# Altium PCB MiniPC.PcbDoc (part 10 of 22)
Units mm, origin at the board's own origin, x right, y up, seen from the top; angles counter-clockwise.
Board outline 175 x 155 mm, 16 copper layers (1_Top, 2_int1_(gnd), 3_int2_(power), 4_int3_(gnd), 5_int4_(sign), 6_int5_(power), 7_int6_(sign), 8_int7_(power), 9_int8_(gnd), 10_int9_(sign), 11_int10_(gnd), 12_int11_(sign), 13_int12_(gnd), 14_int13_(power), 15_int14_(gnd), 16_Bottom), stack 2.008 mm thick; 1046 components, 837 nets, 6010 pads, 3950 vias.
Unrouted connection lines stored in the file: 585.
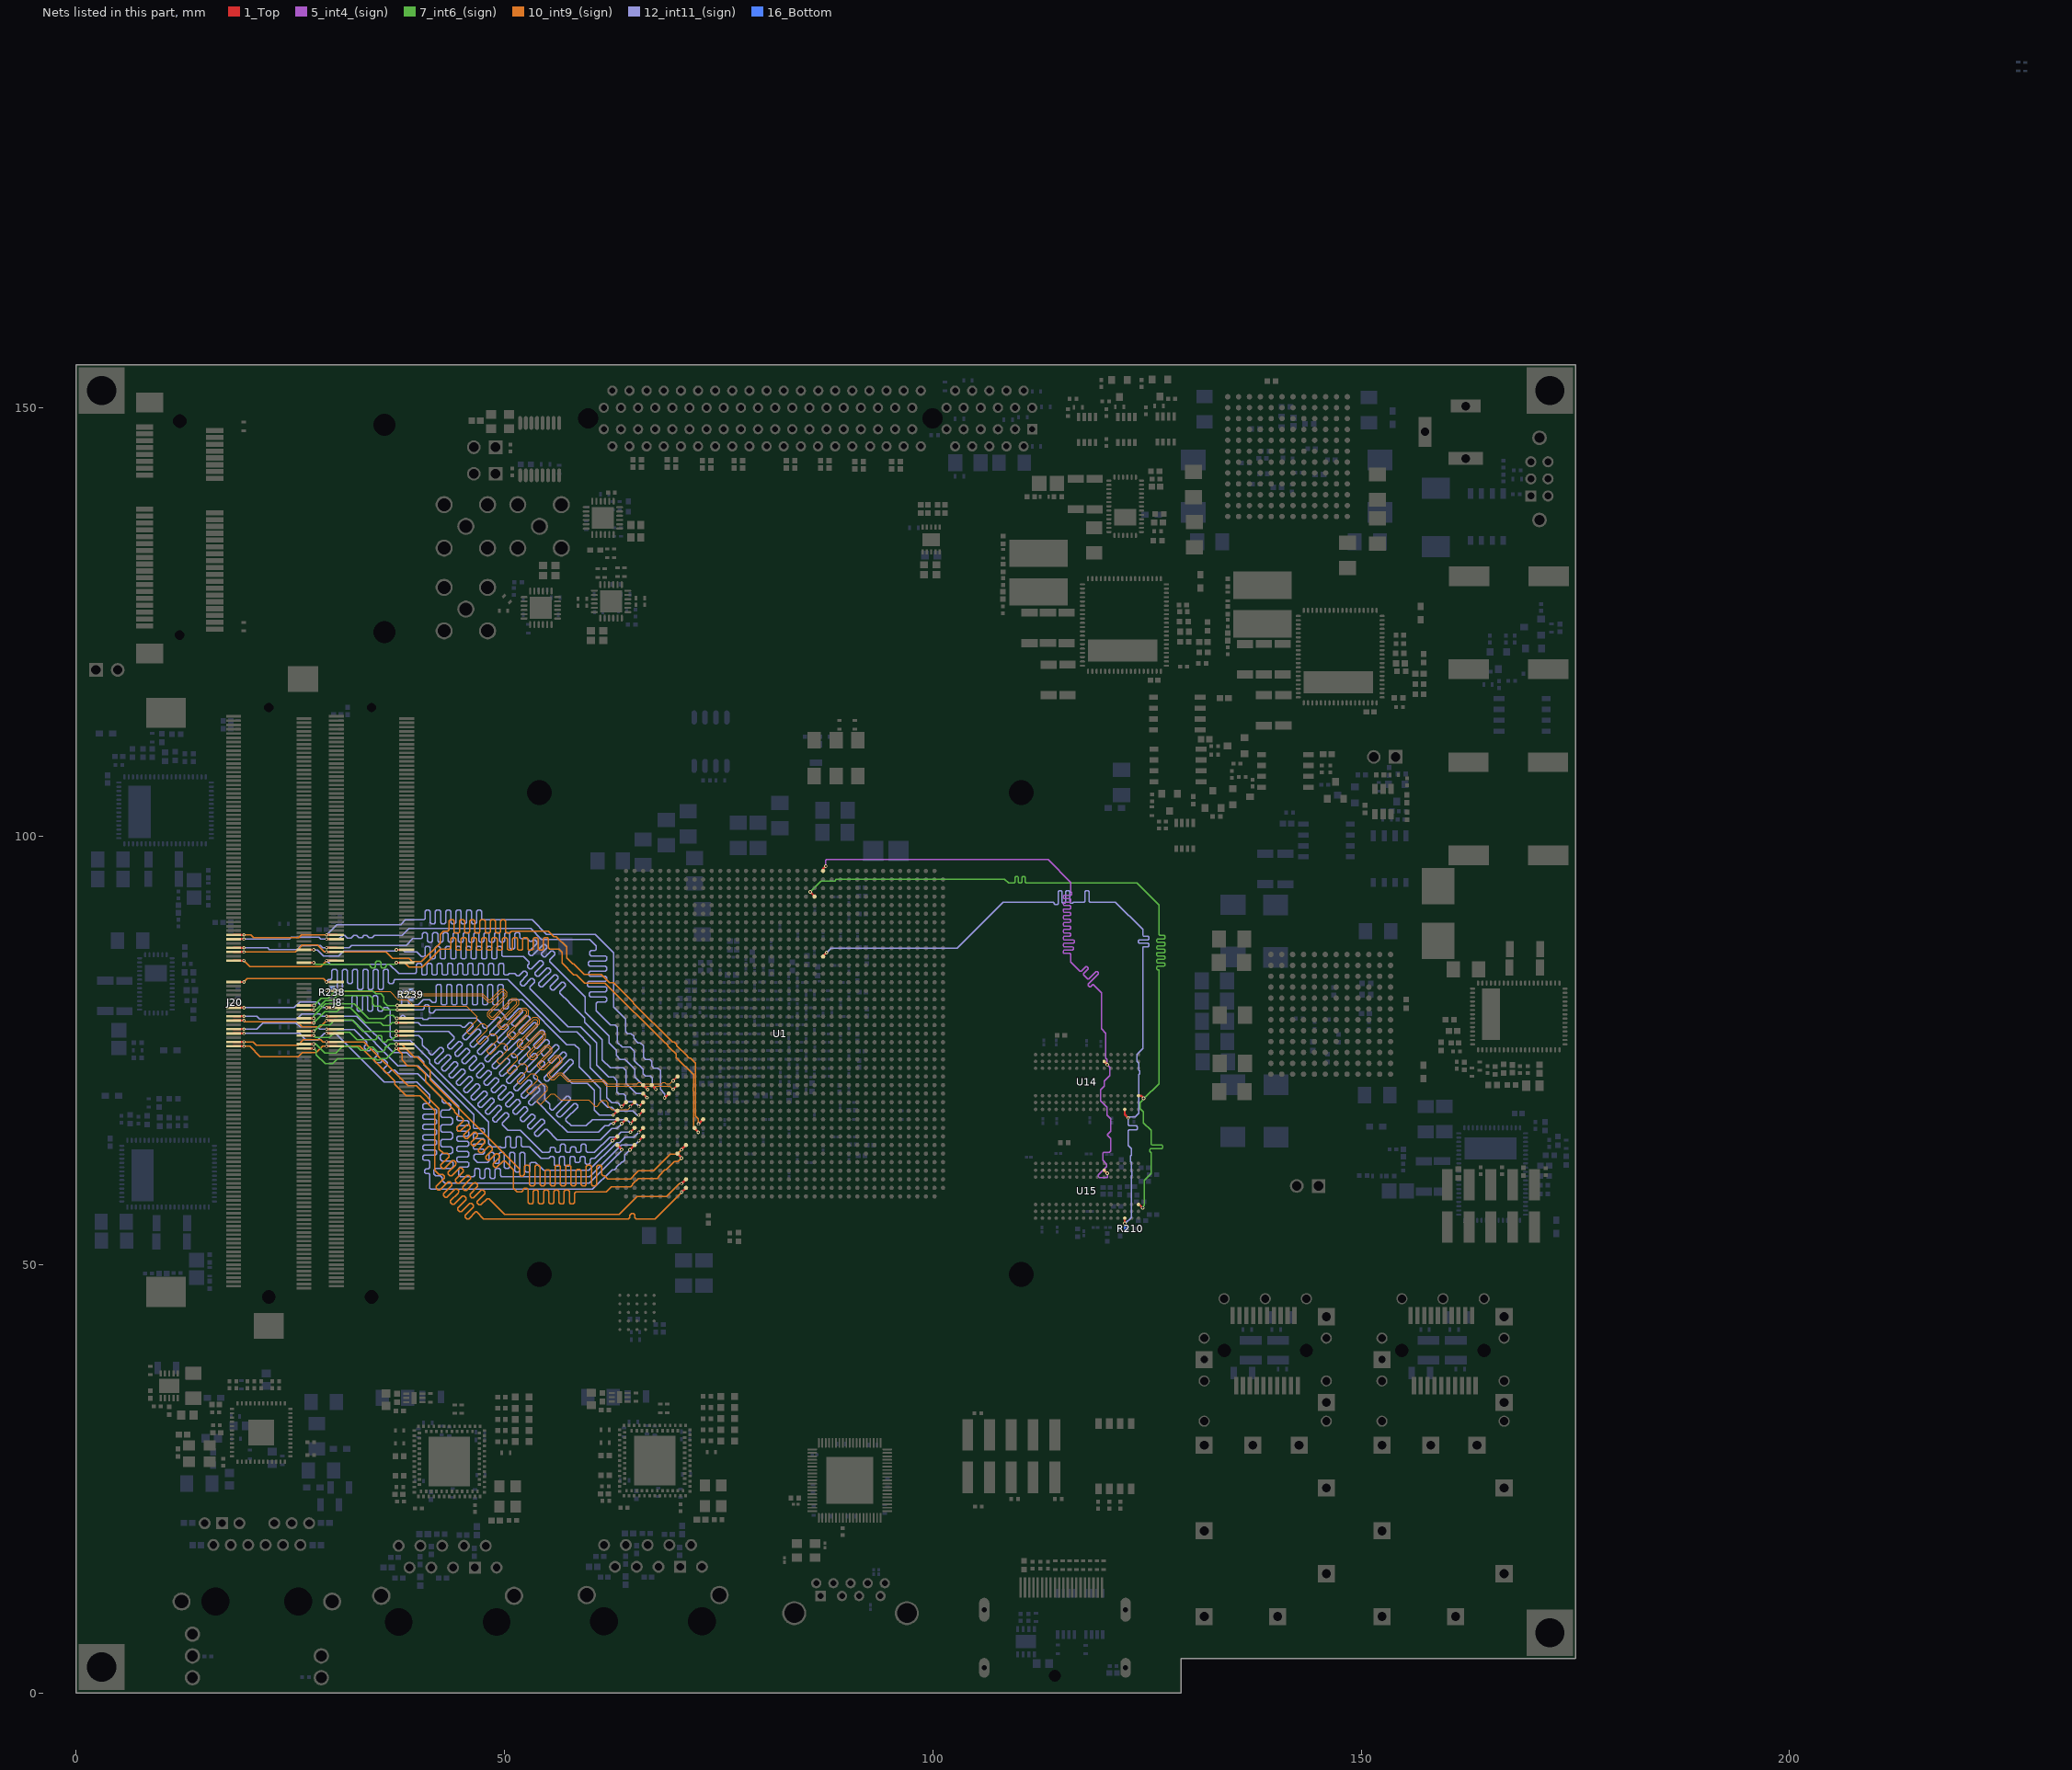
[diagram p24: the nets of this part, all layers, seen from the top]

## Via types
v1: diameter 0.4, hole 0.2, 1_Top to 16_Bottom, tented both sides, 1651 vias
v2: diameter 0.5, hole 0.2, 1_Top to 16_Bottom, tented both sides, 983 vias
v3: diameter 0.7, hole 0.3, 1_Top to 16_Bottom, tented both sides, 915 vias
v4: diameter 0.6, hole 0.2, 1_Top to 16_Bottom, tented both sides, 278 vias
v5: diameter 0.4, hole 0.2, 1_Top to 16_Bottom, 78 vias
v6: diameter 0.4/0/0/0/0/0/0/0/0/0/0/0/0/0/0/0.4 (per signal layer), hole 0.2, 1_Top to 16_Bottom, tented both sides, 18 vias
v7: diameter 0.5, hole 0.254, 1_Top to 16_Bottom, tented both sides, 15 vias
v8: diameter 0.4/0/0/0/0/0/0/0/0/0/0/0.4/0.4/0.4/0.4/0.4 (per signal layer), hole 0.2, 1_Top to 16_Bottom, tented both sides, 10 vias
v9: diameter 0.5, hole 0.2, 1_Top to 16_Bottom, 2 vias

## Nets (pads, with @x,y where several pads share a name; then routed paths per layer and width w, separated by ;. In a path a pad name is that pad's centre, name@x,y a point inside that pad or via, vN(x,y) a via of type N, cw(c..) or ccw(c..) an arc to the next point about the centre after c; other vN are vias at no path point) (continued)
DDR4_PAR: U1.D24 U14.T3 U15.T3 | length 95.8
  1_Top w0.25: v1(85.7,93.5) 86.106,93.094 86.194,93.094 U1.D24@86.194,92.939 ; U15.T3@124,57 124.1,57 v1(124.5,56.6) ; U14.T3@124,69.7 124.304,69.7 v1(124.604,69.4)
  7_int6_(sign) w0.15: v1(85.7,93.5) 86.975,94.775 88.55,94.775 88.75,94.975 108.37,94.975 108.825,94.52 109.4,94.52 109.5,94.52 109.6,94.62 109.6,95.16 109.7,95.26 109.9,95.26 110,95.16 110,94.62 110.1,94.52 110.3,94.52 110.4,94.62 110.4,95.16 110.5,95.26 110.7,95.26 110.8,95.16 110.8,94.62 110.9,94.52 111.95,94.52 123.83,94.52 126.38,91.97 126.38,88.6 126.38,88.5 126.48,88.4 126.99,88.4 127.09,88.3 127.09,88.1 126.99,88 126.38,88 126.21,88 126.11,87.9 126.11,87.7 126.21,87.6 126.38,87.6 126.99,87.6 127.09,87.5 127.09,87.3 126.99,87.2 126.38,87.2 126.21,87.2 126.11,87.1 126.11,86.9 126.21,86.8 126.38,86.8 126.99,86.8 127.09,86.7 127.09,86.5 126.99,86.4 126.38,86.4 126.21,86.4 126.11,86.3 126.11,86.1 126.21,86 126.38,86 126.99,86 127.09,85.9 127.09,85.7 126.99,85.6 126.38,85.6 126.21,85.6 126.11,85.5 126.11,85.3 126.21,85.2 126.38,85.2 126.99,85.2 127.09,85.1 127.09,84.9 126.99,84.8 126.38,84.8 126.21,84.8 126.11,84.7 126.11,84.5 126.21,84.4 126.38,84.4 126.38,71.101 124.679,69.4 v1(124.604,69.4) 124.604,69.304 124.2,68.9 124.2,68.199 124.6,67.799 124.6,66.546 125.5,65.646 125.5,65.1 125.5,64.02 125.6,63.92 126.751,63.92 126.851,63.82 126.851,63.62 126.751,63.52 125.5,63.52 125.4,63.52 125.3,63.42 125.3,63.22 125.4,63.12 125.5,63.02 125.5,62.92 125.5,60.599 124.7,59.799 124.7,56.9 124.5,56.7 v1(124.5,56.6)
DDR4_RAS: U1.A25 U14.L8 U15.L8 | length 93.3
  1_Top w0.25: U1.A25@87.194,95.939 87.194,96.194 v1(87.5,96.5) ; U15.L8@120,61 v1(120.35,60.65) ; U14.L8@120,73.7 120.35,73.35 v1(120.35,73.328)
  5_int4_(sign) w0.15: v1(87.5,96.5) 87.5,97.179 87.581,97.26 113.44,97.26 116.1,94.6 116.1,93.811 116.1,93.7 116.1,93.5 116.192,93.408 116.192,93.192 116.1,93.1 115.31,93.1 115.21,93 115.21,92.8 115.31,92.7 116,92.7 116.1,92.6 116.1,92.4 116,92.3 115.31,92.3 115.21,92.2 115.21,92 115.31,91.9 116,91.9 116.1,91.8 116.1,91.6 116,91.5 115.31,91.5 115.21,91.4 115.21,91.2 115.31,91.1 116,91.1 116.1,91 116.1,90.8 116,90.7 115.31,90.7 115.21,90.6 115.21,90.4 115.31,90.3 116,90.3 116.1,90.2 116.1,90 116,89.9 115.31,89.9 115.21,89.8 115.21,89.6 115.31,89.5 116,89.5 116.1,89.4 116.1,89.2 116,89.1 115.31,89.1 115.21,89 115.21,88.8 115.31,88.7 116,88.7 116.1,88.6 116.1,88.4 116,88.3 115.31,88.3 115.21,88.2 115.21,88 115.31,87.9 116.1,87.9 116.4,87.9 116.5,87.8 116.5,87.6 116.4,87.5 116.1,87.5 115.31,87.5 115.21,87.4 115.21,87.2 115.31,87.1 116.1,87.1 116.327,87.1 116.427,87 116.427,86.8 116.327,86.7 116.1,86.7 115.31,86.7 115.21,86.6 115.21,86.4 115.31,86.3 116,86.3 116.1,86.2 116.1,86.1 116.1,85.3 117.1,84.3 117.171,84.229 117.312,84.229 117.853,84.77 117.994,84.77 118.136,84.629 118.136,84.487 117.595,83.946 117.595,83.805 117.7,83.7 117.988,83.413 118.058,83.342 118.2,83.342 119.054,84.196 119.195,84.196 119.337,84.054 119.337,83.913 118.412,82.988 118.137,82.713 118.137,82.572 118.278,82.431 118.42,82.431 118.652,82.663 118.737,82.663 119.7,81.7 119.7,77.5 120.2,77 120.2,74.1 120.35,73.95 v1(120.35,73.328) 120.371,73.328 120.67,73.029 120.67,72.07 120,71.4 120,70.801 119.824,70.625 119.575,70.376 119.575,69.104 120.325,68.354 120.325,67.424 120.745,67.004 120.745,65.545 120.4,65.2 120.4,65.067 120.745,64.722 120.745,63.245 120.591,63.091 119.939,63.091 119.83,62.983 119.83,62.169 120.3,61.699 120.3,61.4 119.34,60.44 119.34,60.26 119.475,60.125 120.325,60.125 120.4,60.2 120.4,60.6 v1(120.35,60.65) 120.372,60.65 v1@120.4,60.679
DDR4_RESETN: R210.1 U1.L25 U14.P1 U15.P1 | length 93.4
  1_Top w0.25: U1.L25@87.194,85.939 87.194,85.994 v1(87.6,86.4) ; v1(122.4,54.8) U15.P1@122.4,55.4 ; U14.P1@122.4,68.1 122.4,67.5 v1(122.8,67.1)
  12_int11_(sign) w0.15: v1(87.6,86.4) 88.125,86.925 102.825,86.925 108.2,92.3 113.5,92.3 113.725,92.3 114.062,92.3 114.175,92.188 114.175,92.112 114.287,92 114.512,92 114.625,92.112 114.625,92.3 114.625,93.506 114.737,93.619 114.962,93.619 115.075,93.506 115.075,92.3 115.185,92.19 115.415,92.19 115.525,92.3 115.525,93.506 115.637,93.619 115.862,93.619 115.975,93.506 115.975,92.3 116.085,92.19 116.315,92.19 116.425,92.3 116.875,92.3 117.1,92.3 117.325,92.3 117.662,92.3 117.775,92.412 117.775,93.506 117.887,93.619 118.112,93.619 118.225,93.506 118.225,92.412 118.337,92.3 118.5,92.3 121.3,92.3 124.5,89.1 124.5,88.5 124.5,88.4 124.6,88.3 125.135,88.3 125.235,88.2 125.235,88 125.135,87.9 124.5,87.9 124.1,87.9 124,87.8 124,87.6 124.1,87.5 124.5,87.5 125.135,87.5 125.235,87.4 125.235,87.2 125.135,87.1 124.6,87.1 124.5,87 124.5,86.275 124.5,75.199 123.876,74.575 123.8,74.499 123.8,73.701 124.025,73.476 124.025,72.698 124.125,72.598 124.125,72.246 124.025,72.147 124.025,69.8 124.025,67.624 123.601,67.2 122.9,67.2 v1(122.8,67.1) 122.8,66.4 122.8,66.288 122.912,66.175 123.756,66.175 123.868,66.063 123.868,65.838 123.756,65.725 122.912,65.725 122.8,65.613 122.8,65.4 122.8,63.9 123.175,63.525 123.175,62.775 123.075,62.675 123.075,62.024 123.175,61.924 123.175,60.826 123.225,60.776 123.225,60.424 123.175,60.374 123.175,59.016 123.181,59.01 123.181,56.826 123.153,56.798 123.153,56.222 123.175,56.2 123.175,55.475 122.5,54.8 v1(122.4,54.8)
  16_Bottom w0.25: v1(122.4,54.8) 122.425,54.775 R210.1@122.425,54.175
DDR4_SODIMM_A0: J8.144 J20.144 U1.AH2 | length 79.6
  1_Top w0.25: J20.144@18.4,82.975 v1(19.602,82.975) ; v1(29.25,82.975) J8.144@30.4,82.975 ; v1(63.675,68.425) 63.68,68.425 U1.AH2@64.194,68.939
  10_int9_(sign) w0.15: v1(19.602,82.975) 19.977,83.35 28.875,83.35 v1(29.25,82.975)
  12_int11_(sign) w0.15: v1(29.25,82.975) 29.25,83.025 29.5,83.275 29.725,83.275 29.875,83.425 29.875,84.309 30.025,84.459 30.325,84.459 30.475,84.309 30.475,82.241 30.625,82.091 30.925,82.091 31.075,82.241 31.075,84.309 31.225,84.459 31.525,84.459 31.675,84.309 31.675,82.942 31.825,82.792 32.125,82.792 32.275,82.942 32.275,84.309 32.425,84.459 32.725,84.459 32.875,84.309 32.875,82.241 33.025,82.091 33.325,82.091 33.475,82.241 33.475,84.309 33.625,84.459 33.925,84.459 34.075,84.309 34.075,82.241 34.225,82.091 34.525,82.091 34.675,82.241 34.675,84.309 34.825,84.459 35.125,84.459 35.275,84.309 35.275,82.241 35.425,82.091 35.725,82.091 35.875,82.241 35.875,84.309 36.025,84.459 36.325,84.459 36.475,84.309 36.475,82.931 36.625,82.781 36.925,82.781 37.075,82.931 37.075,83.125 37.225,83.275 50.4,83.275 56.55,77.125 58.45,77.125 60.025,75.55 60.025,72.95 61.95,71.025 61.95,69.469 62.531,68.888 63.212,68.888 v1(63.675,68.425)
DDR4_SODIMM_A1: J8.133 J20.133 U1.AJ4 | length 85.5
  1_Top w0.25: J20.133@26.6,80.225 v1(27.775,80.225) ; v1(37.5,80.225) J8.133@38.6,80.225 ; v1(65.694,67.439) U1.AJ4@66.194,67.939
  7_int6_(sign) w0.15: v1(27.775,80.225) 28.6,81.05 29.4,81.05 30.275,81.925 34.65,81.925 35,81.575 35.6,81.575 35.925,81.25 35.925,80.65 36.35,80.225 v1(37.5,80.225)
  12_int11_(sign) w0.15: v1(37.5,80.225) 37.575,80.3 37.9,80.3 38.025,80.425 38.025,81.875 38.125,81.975 38.7,81.975 38.8,81.875 38.8,80.5 39,80.3 39.925,80.3 40.525,80.9 41.3,80.9 41.45,80.75 41.45,80.727 41.6,80.577 41.9,80.577 42.05,80.727 42.05,82.516 42.2,82.666 42.5,82.666 42.65,82.516 42.65,80.444 42.8,80.294 43.1,80.294 43.25,80.444 43.25,82.516 43.4,82.666 43.7,82.666 43.85,82.516 43.85,80.444 44,80.294 44.3,80.294 44.45,80.444 44.45,82.516 44.6,82.666 44.9,82.666 45.05,82.516 45.05,80.444 45.2,80.294 45.5,80.294 45.65,80.444 45.65,82.516 45.8,82.666 46.1,82.666 46.25,82.516 46.25,80.444 46.4,80.294 46.7,80.294 46.85,80.444 46.85,82.516 47,82.666 47.3,82.666 47.45,82.516 47.45,80.444 47.6,80.294 47.9,80.294 48.05,80.444 48.05,82.516 48.2,82.666 48.5,82.666 48.65,82.516 48.65,80.444 48.8,80.294 49.1,80.294 49.25,80.444 49.25,82.516 49.4,82.666 49.7,82.666 49.85,82.516 49.85,79.98 50,79.83 50.3,79.83 50.45,79.98 50.45,80.75 50.6,80.9 52.05,80.9 57.3,75.65 58.2,75.65 58.7,75.15 58.7,73.05 61.2,70.55 61.2,69.2 62.042,68.358 62.533,68.358 62.95,67.94 64.985,67.94 65.486,67.439 v1(65.694,67.439)
DDR4_SODIMM_A2: J8.132 J20.132 U1.AM1 | length 78.5
  1_Top w0.25: J20.132@18.4,79.975 v1(19.602,79.975) ; v1(29.25,79.975) J8.132@30.4,79.975 ; v1(62.625,64.45) 62.705,64.45 U1.AM1@63.194,64.939
  12_int11_(sign) w0.15: v1(19.602,79.975) 25.475,79.975 26.125,80.625 28.2,80.625 28.85,79.975 v1(29.25,79.975) 32.075,79.975 32.225,80.125 32.225,81.224 32.375,81.374 32.675,81.374 32.825,81.224 32.825,79.726 32.975,79.576 33.275,79.576 33.425,79.726 33.425,81.224 33.575,81.374 33.875,81.374 34.025,81.224 34.025,79.726 34.175,79.576 34.475,79.576 34.625,79.726 34.625,81.224 34.775,81.374 35.075,81.374 35.225,81.224 35.225,79.726 35.375,79.576 35.675,79.576 35.825,79.726 35.825,79.825 35.975,79.975 36.35,79.975 36.675,79.65 36.675,76.6 37.125,76.15 39.025,76.15 41.3,73.875 41.3,73.475 48.16,66.615 48.16,64.09 48.527,63.723 49.55,63.723 49.665,63.608 50.035,63.608 50.15,63.723 50.15,64.773 50.3,64.923 50.6,64.923 50.75,64.773 50.75,63.723 50.865,63.608 51.235,63.608 51.35,63.723 51.35,64.773 51.5,64.923 51.8,64.923 51.95,64.773 51.95,63.873 52.1,63.723 52.923,63.723 54.271,62.375 55.17,62.375 55.375,62.58 55.675,62.58 55.825,62.43 55.825,61.635 55.975,61.485 56.275,61.485 56.425,61.635 56.425,62.43 56.575,62.58 56.875,62.58 57.025,62.43 57.025,61.635 57.175,61.485 57.475,61.485 57.625,61.635 57.625,62.43 57.775,62.58 58.075,62.58 58.225,62.43 58.225,62.034 58.375,61.884 58.675,61.884 58.825,62.034 58.825,62.43 58.975,62.58 59.275,62.58 59.425,62.43 59.425,61.846 59.575,61.696 59.875,61.696 60.025,61.846 60.025,62.225 60.175,62.375 60.55,62.375 v1(62.625,64.45)
DDR4_SODIMM_A3: J8.131 J20.131 U1.AJ1 | length 80.8
  1_Top w0.25: J20.131@26.6,79.725 27.73,79.725 v1(27.751,79.704) ; v1(37.5,79.725) 38.592,79.725 38.596,79.729 J8.131@38.6,79.725 ; v1(62.694,67.439) U1.AJ1@63.194,67.939
  7_int6_(sign) w0.15: v1(27.751,79.704) 28.004,79.704 29.075,80.775 29.875,80.775 30.475,81.375 34.3,81.375 34.625,81.05 34.625,80.4 34.85,80.175 35.5,80.175 35.95,79.725 v1(37.5,79.725)
  12_int11_(sign) w0.15: v1(37.5,79.725) 40.475,79.725 40.625,79.875 40.625,80.172 40.775,80.322 41.075,80.322 41.225,80.172 41.225,79.483 41.375,79.333 41.675,79.333 41.825,79.483 41.825,79.575 41.975,79.725 49.325,79.725 50.011,79.039 50.011,78.915 50.312,78.614 50.436,78.614 51.714,79.893 51.926,79.893 52.138,79.681 52.138,79.468 50.86,78.19 50.86,78.067 51.161,77.766 51.284,77.766 52.563,79.044 52.775,79.044 52.987,78.832 52.987,78.62 51.708,77.342 51.708,77.218 52.009,76.917 52.133,76.917 53.411,78.196 53.623,78.196 53.835,77.984 53.835,77.771 52.557,76.493 52.557,76.37 52.858,76.069 52.981,76.069 54.26,77.347 54.472,77.347 54.684,77.135 54.684,76.923 53.405,75.644 53.405,75.521 53.706,75.22 53.83,75.22 54.823,76.214 55.035,76.214 55.247,76.002 55.247,75.789 54.254,74.796 54.254,74.673 54.555,74.372 54.678,74.372 55.957,75.65 56.169,75.65 56.381,75.438 56.381,75.226 55.103,73.947 55.103,73.824 55.404,73.523 55.527,73.523 56.805,74.802 57.017,74.802 57.229,74.589 57.229,74.377 54.673,71.821 54.673,71.608 54.885,71.396 55.097,71.396 56.375,72.675 57.621,73.921 57.833,73.921 58.046,73.709 58.046,73.496 56.825,72.276 56.825,72.225 57.9,71.15 59.675,71.15 60.475,70.35 60.475,68.05 61.086,67.439 v1(62.694,67.439)
DDR4_SODIMM_A4: J8.128 J20.128 U1.AL4 | length 83.1
  1_Top w0.25: J20.128@18.4,78.975 v1(19.602,78.975) ; v1(29.25,78.975) J8.128@30.4,78.975 ; v1(65.694,65.439) U1.AL4@66.194,65.939
  12_int11_(sign) w0.15: v1(19.602,78.975) 21.125,78.975 21.45,78.65 25.775,78.65 26.375,79.25 28.475,79.25 28.75,78.975 v1(29.25,78.975) 32.775,78.975 37.025,74.725 38.6,74.725 39.062,74.263 39.987,74.263 40.6,73.65 40.6,73.35 46.45,67.5 46.45,66.475 46.365,66.39 46.365,65.96 46.45,65.875 47.5,65.875 47.65,65.725 47.65,65.425 47.5,65.275 46.45,65.275 46.365,65.19 46.365,64.76 46.45,64.675 47.5,64.675 47.65,64.525 47.65,64.225 47.5,64.075 46.45,64.075 46.365,63.99 46.365,63.56 46.45,63.475 47.5,63.475 47.65,63.325 47.65,63.025 47.5,62.875 46.6,62.875 46.45,62.725 46.45,62.35 46.875,61.925 48.05,61.925 48.2,62.075 48.2,62.948 48.35,63.098 48.65,63.098 48.8,62.948 48.8,61.925 48.931,61.794 49.269,61.794 49.4,61.925 49.4,62.948 49.55,63.098 49.85,63.098 50,62.948 50,61.346 50.15,61.196 50.45,61.196 50.6,61.346 50.6,62.948 50.75,63.098 51.05,63.098 51.2,62.948 51.2,60.931 51.35,60.781 51.65,60.781 51.8,60.931 51.8,62.948 51.95,63.098 52.25,63.098 52.4,62.948 52.4,60.931 52.55,60.781 52.85,60.781 53,60.931 53,61.775 53.15,61.925 53.625,61.925 54.575,60.975 59.875,60.975 63.1,64.2 63.425,64.2 64.1,64.875 65.13,64.875 v1(65.694,65.439)
DDR4_SODIMM_A5: J8.126 J20.126 U1.AM4 | length 81.5
  1_Top w0.25: J20.126@18.4,78.475 v1(19.602,78.475) ; v1(29.25,78.475) J8.126@30.4,78.475 ; v1(65.694,64.439) U1.AM4@66.194,64.939
  10_int9_(sign) w0.15: v1(19.602,78.475) 19.727,78.35 25.775,78.35 26.4,77.725 28.5,77.725 v1(29.25,78.475)
  12_int11_(sign) w0.15: v1(29.25,78.475) 32.3,78.475 37.575,73.2 39.925,73.2 44.655,68.47 44.655,67.42 44.46,67.225 44.46,66.925 44.61,66.775 45.705,66.775 45.855,66.625 45.855,66.325 45.705,66.175 44.61,66.175 44.46,66.025 44.46,65.725 44.61,65.575 45.705,65.575 45.855,65.425 45.855,65.125 45.705,64.975 44.61,64.975 44.46,64.825 44.46,64.525 44.61,64.375 45.705,64.375 45.855,64.225 45.855,63.925 45.705,63.775 44.61,63.775 44.46,63.625 44.46,63.325 44.61,63.175 45.705,63.175 45.855,63.025 45.855,62.725 45.705,62.575 44.61,62.575 44.46,62.425 44.46,62.125 44.61,61.975 45.705,61.975 45.855,61.825 45.855,61.525 45.705,61.375 44.805,61.375 44.655,61.225 44.655,60.475 44.886,60.245 46.375,60.245 46.525,60.395 46.525,61.073 46.675,61.223 46.975,61.223 47.125,61.073 47.125,60.162 47.275,60.012 47.575,60.012 47.725,60.162 47.725,61.073 47.875,61.223 48.175,61.223 48.325,61.073 48.325,60.162 48.475,60.012 48.775,60.012 48.925,60.162 48.925,61.057 49.075,61.207 49.375,61.207 49.525,61.057 49.525,60.395 49.675,60.245 59.945,60.245 63.65,63.95 65.205,63.95 v1(65.694,64.439)
DDR4_SODIMM_A6: J8.127 J20.127 U1.AK3 | length 85.4
  1_Top w0.25: J20.127@26.6,78.725 v1(27.75,78.725) ; v1(37.436,78.725) J8.127@38.6,78.725 ; v1(64.725,66.47) U1.AK3@65.194,66.939
  7_int6_(sign) w0.15: v1(27.75,78.725) 27.75,79.05 29.1,80.4 32.479,80.4 34.154,78.725 35.975,78.725 36.325,79.075 37,79.075 37.35,78.725 v1(37.436,78.725)
  12_int11_(sign) w0.15: v1(37.436,78.725) 37.7,78.725 38.05,79.075 38.25,79.075 38.571,78.754 40.4,78.754 40.554,78.6 41.021,78.6 41.175,78.754 46.695,78.754 47.45,77.999 47.45,77.766 47.663,77.553 47.875,77.553 49.164,78.843 49.376,78.843 49.588,78.631 49.588,78.418 48.31,77.14 48.299,77.129 48.299,76.917 48.511,76.705 48.723,76.705 48.734,76.716 50.013,77.994 50.225,77.994 50.437,77.782 50.437,77.57 49.148,76.281 49.148,76.069 49.36,75.856 49.572,75.856 50.861,77.146 51.073,77.146 51.285,76.934 51.285,76.721 50.007,75.443 49.996,75.432 49.996,75.22 50.208,75.008 50.42,75.008 50.431,75.019 51.71,76.297 51.922,76.297 52.134,76.085 52.134,75.873 50.845,74.584 50.845,74.371 51.057,74.159 51.269,74.159 52.558,75.449 52.77,75.449 52.982,75.237 52.982,75.024 51.693,73.735 51.693,73.523 51.905,73.311 52.117,73.311 52.128,73.322 53.407,74.6 53.619,74.6 53.831,74.388 53.831,74.176 52.553,72.897 52.542,72.887 52.542,72.674 52.754,72.462 52.966,72.462 54.255,73.752 54.467,73.752 54.679,73.539 54.679,73.327 53.39,72.038 53.39,71.826 53.602,71.614 53.814,71.614 53.836,71.614 54.7,70.75 54.7,69.275 55.28,68.695 55.28,68.483 55.266,68.468 55.266,68.256 55.478,68.044 55.69,68.044 57.264,69.618 57.476,69.618 57.688,69.406 57.688,69.193 56.235,67.74 56.115,67.62 56.115,67.408 56.327,67.195 56.539,67.195 56.659,67.316 58.113,68.769 58.325,68.769 58.537,68.557 58.537,68.345 57.19,66.998 57.19,66.785 57.8,66.175 59.55,66.175 60.27,66.895 64.3,66.895 v1(64.725,66.47)
DDR4_SODIMM_A7: J8.122 J20.122 U1.AN1 | length 78.8
  1_Top w0.25: J20.122@18.4,77.475 v1(19.602,77.475) ; v1(29.25,77.475) J8.122@30.4,77.475 ; U1.AN1@63.194,63.939 63.7,63.433 v1(63.7,63.4)
  12_int11_(sign) w0.15: v1(19.602,77.475) 21.1,77.475 21.8,78.175 25.675,78.175 26.125,77.725 28.2,77.725 28.45,77.475 v1(29.25,77.475) 29.3,77.425 32.475,77.425 33.925,75.975 33.925,75.725 33.675,75.475 33.675,75.275 34,74.95 34.25,74.95 34.412,75.112 34.788,75.112 35.225,74.675 35.225,74.475 34.825,74.075 34.825,73.775 35.025,73.575 35.525,73.575 35.8,73.85 36.05,73.85 36.35,73.55 36.35,73.3 35.925,72.875 35.925,72.625 36.175,72.375 36.525,72.375 36.85,72.7 37.2,72.7 37.625,72.275 39.9,72.275 42.75,69.425 42.75,69.063 42.963,68.85 43.554,68.85 43.766,68.637 43.766,68.213 43.554,68 42.75,68 42.585,67.835 42.585,67.315 42.75,67.15 43.737,67.15 43.95,66.937 43.95,66.512 43.737,66.3 42.75,66.3 42.585,66.135 42.585,65.615 42.75,65.45 43.737,65.45 43.95,65.237 43.95,64.812 43.737,64.6 42.75,64.6 42.585,64.435 42.585,63.915 42.75,63.75 43.737,63.75 43.95,63.537 43.95,63.112 43.737,62.9 42.75,62.9 42.539,62.689 42.539,62.261 42.75,62.05 43.826,62.05 44.039,61.837 44.039,61.412 43.826,61.2 41.994,61.2 41.781,60.987 41.781,60.562 41.994,60.35 42.537,60.35 42.75,60.137 42.75,59.8 43.048,59.502 59.923,59.502 63.7,63.279 v1(63.7,63.4)
DDR4_SODIMM_A8: J8.125 J20.125 U1.AK1 | length 82.4
  1_Top w0.25: J20.125@26.6,78.225 27.73,78.225 v1(27.751,78.204) ; v1(37.398,78.225) J8.125@38.6,78.225 ; v1(62.725,66.47) U1.AK1@63.194,66.939
  7_int6_(sign) w0.15: v1(27.751,78.204) 27.759,78.204 29.055,79.5 30.45,79.5 30.925,79.975 32,79.975 33.75,78.225 35.55,78.225 35.875,77.9 36.575,77.9 36.9,78.225 v1(37.398,78.225)
  12_int11_(sign) w0.15: v1(37.398,78.225) 39.95,78.225 40.25,77.925 44.876,77.925 45.131,77.67 45.343,77.67 45.912,78.238 46.124,78.238 46.336,78.026 46.336,77.814 45.172,76.651 45.172,76.439 45.385,76.226 45.597,76.226 46.82,77.45 47.033,77.45 47.245,77.238 47.245,77.026 46.51,76.291 46.021,75.802 46.021,75.59 46.233,75.378 46.445,75.378 46.934,75.867 47.669,76.602 47.881,76.602 48.093,76.39 48.093,76.177 47.358,75.443 46.87,74.954 46.87,74.742 47.082,74.529 47.294,74.529 48.518,75.753 48.73,75.753 48.942,75.541 48.942,75.329 48.207,74.594 47.718,74.105 47.718,73.893 47.93,73.681 48.142,73.681 48.631,74.17 49.366,74.905 49.578,74.905 49.79,74.692 49.79,74.48 49.056,73.746 48.567,73.257 48.567,73.045 48.779,72.832 48.991,72.832 50.215,74.056 50.427,74.056 50.639,73.844 50.639,73.632 49.904,72.897 49.415,72.408 49.415,72.196 49.627,71.984 49.839,71.984 50.328,72.473 51.063,73.208 51.275,73.208 51.487,72.995 51.487,72.783 50.753,72.048 50.264,71.56 50.264,71.347 50.476,71.135 50.688,71.135 51.177,71.624 51.912,72.359 52.124,72.359 52.336,72.147 52.336,71.935 51.601,71.2 51.112,70.711 51.112,70.499 51.324,70.287 51.536,70.287 52.025,70.776 52.76,71.51 52.972,71.51 53.184,71.298 53.184,71.086 52.45,70.351 51.961,69.863 51.961,69.65 52.173,69.438 52.385,69.438 52.874,69.927 53.658,70.711 53.87,70.711 54.082,70.499 54.082,70.287 53.298,69.503 52.809,69.014 52.809,68.802 53.021,68.59 53.233,68.59 53.616,68.973 53.828,68.973 55.825,66.976 ; 55.825,66.975 57.375,65.425 60.964,65.425 61.75,66.211 62.164,66.211 62.424,66.47 v1(62.725,66.47)